# Altium PCB Thermostat_8CH.PCBDOC (part 5 of 10)
Units mil, origin at the board's own origin, x right, y up, seen from the top; angles counter-clockwise.
Board outline 8409.08 x 3937.01 mil, 4 copper layers (TOP, G1, L2, BOT), stack 61.024 mil thick; 941 components, 513 nets, 2912 pads, 1409 vias.
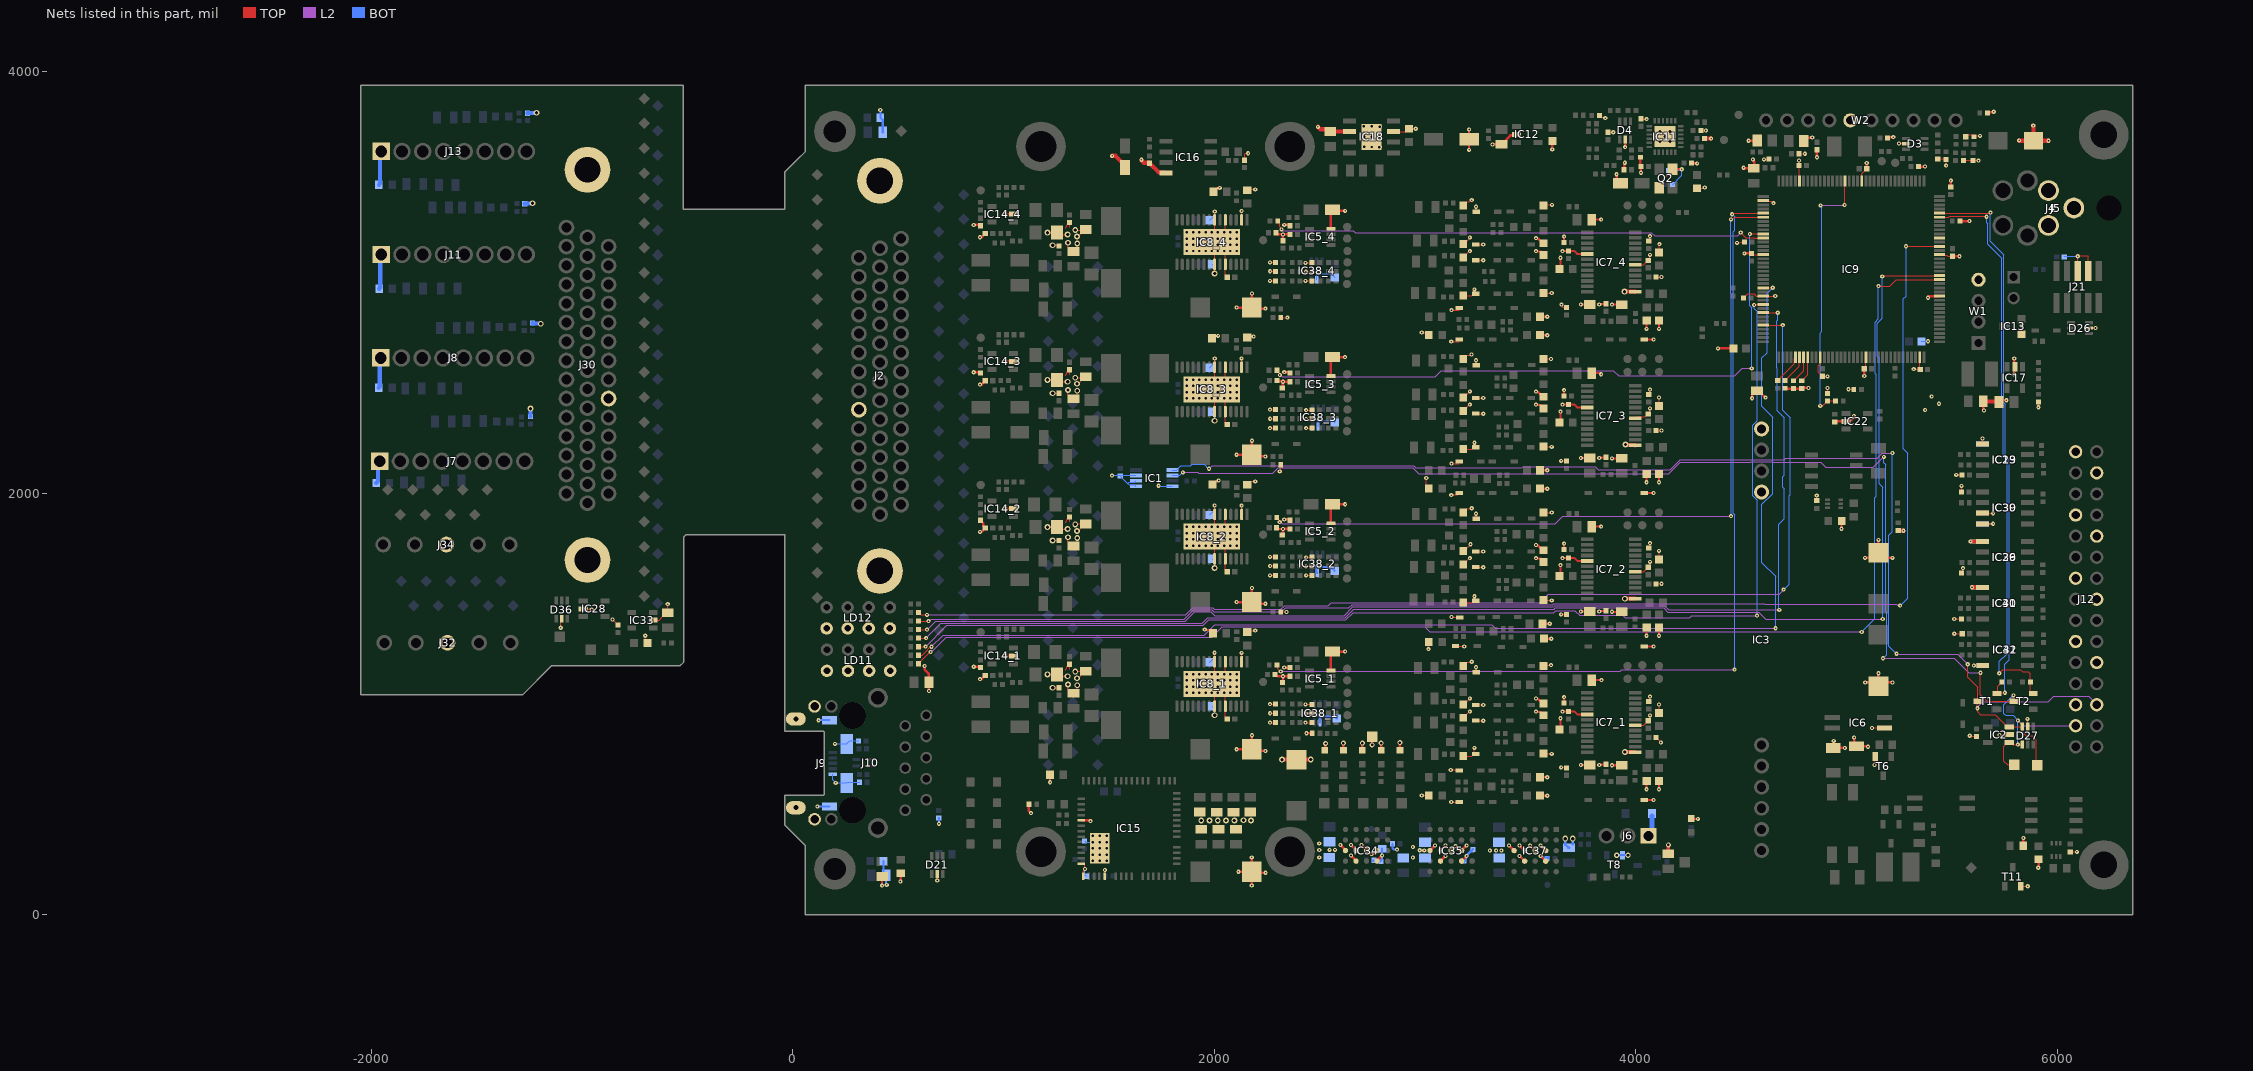
[diagram p7: the nets of this part, all layers, seen from the top]

## Via types
v1: diameter 19.68, hole 7.87, TOP to BOT, tented both sides, 1030 vias
v2: diameter 27.56, hole 15.75, TOP to BOT, tented both sides, 191 vias
v3: diameter 23.62, hole 11.81, TOP to BOT, tented both sides, 97 vias
v4: diameter 23.62, hole 11.81, TOP to BOT, 81 vias
v5: diameter 25.98, hole 12.99, TOP to BOT, tented both sides, 10 vias

## Nets (pads, with @x,y where several pads share a name; then routed paths per layer and width w, separated by ;. In a path a pad name is that pad's centre, name@x,y a point inside that pad or via, vN(x,y) a via of type N, cw(c..) or ccw(c..) an arc to the next point about the centre after c; other vN are vias at no path point) (continued)
GND: C1.1 C2.1 C3.2 C4.2 C6.1 C7.1 C8.1 C9.1 C10.1 C11.1 C12.1 C13.1 C14.1 C15.2 C16_1.2 C16_2.2 C16_3.2 C16_4.2 C17.1 C18.1 C19.2 C20_1.2 C20_2.2 C20_3.2 C20_4.2 C21.2 C22.2 C23.2 C24.2 C25.1 C26_1.2 C26_2.2 C26_3.2 C26_4.2 C28.1 C29.2 C30.2 C31.2 C32.2 C33.2 C34.1 C35.2 C36.1 C37.2 C38.2 C39_1.2 C39_2.2 C39_3.2 C39_4.2 C40_1.2 C40_2.2 C40_3.2 C40_4.2 C41_1.2 C41_2.2 C41_3.2 C41_4.2 C42_1.2 C42_2.2 C42_3.2 C42_4.2 C43_1.2 C43_2.2 C43_3.2 C43_4.2 C44_1.2 C44_2.2 C44_3.2 C44_4.2 C45_1.2 C45_2.2 C45_3.2 C45_4.2 C47_1.1 C47_2.1 C47_3.1 C47_4.1 C48_1.1 C48_2.1 C48_3.1 C48_4.1 C49_1.2 C49_2.2 C49_3.2 C49_4.2 C50_1.1 C50_2.1 C50_3.1 C50_4.1 C51_1.2 C51_2.2 C51_3.2 C51_4.2 C52_1.2 C52_2.2 C52_3.2 C52_4.2 C54_1.2 C54_2.2 C54_3.2 C54_4.2 C55_1.1 C55_2.1 C55_3.1 C55_4.1 C56_1.1 C56_2.1 C56_3.1 C56_4.1 C57_1.1 C57_2.1 C57_3.1 C57_4.1 C58_1.1 C58_2.1 C58_3.1 C58_4.1 C59_1.2 C59_2.2 C59_3.2 C59_4.2 C60_1.2 C60_2.2 C60_3.2 C60_4.2 C61_1.1 C61_2.1 C61_3.1 C61_4.1 C64.2 C65.1 C66_1.2 C66_2.2 C66_3.2 C66_4.2 C67_1.1 C67_2.1 C67_3.1 C67_4.1 C68_1.1 C68_2.1 C68_3.1 C68_4.1 C69_1.1 C69_2.1 C69_3.1 C69_4.1 C70_1.2 C70_2.2 C70_3.2 C70_4.2 C71_1.2 C71_2.2 C71_3.2 C71_4.2 C72_1.2 C72_2.2 C72_3.2 C72_4.2 C73_1.2 C73_2.2 C73_3.2 C73_4.2 C74_1.2 C74_2.2 C74_3.2 C74_4.2 C75_1.2 C75_2.2 C75_3.2 C75_4.2 C76_1.2 C76_2.2 C76_3.2 C76_4.2 C77.2 C78.1 C79.2 C80.1 C81.1 C83_1.1 C83_2.1 C83_3.1 C83_4.1 C84.1 C85.1 C86_1.2 C86_2.2 C86_3.2 C86_4.2 C87.1 C88.1 C89.2 C90_1.2 C90_2.2 C90_3.2 C90_4.2 C91.2 C92.2 C93.2 C94.2 C95.2 C96.2 C97.2 C98.2 C99.2 C100.1 C101.1 C102.2 C103.2 C104_1.2 C104_2.2 C104_3.2 C104_4.2 C106_1.1 C106_2.1 C106_3.1 C106_4.1 C107_1.2 C107_2.2 C107_3.2 C107_4.2 C108.1 C109.1 C111_1.1 C111_2.1 C111_3.1 C111_4.1 C112.2 C113.1 C114.2 C115.1 C117.1 C119_1.2 C119_2.2 C119_3.2 C119_4.2 C122_1.1 C122_2.1 C122_3.1 C122_4.1 C123_1.1 C123_2.1 C123_3.1 C123_4.1 C126.2 C127_1.2 C127_2.2 C127_3.2 C127_4.2 C128.1 C129.1 C130.1 C131.1 C138.1 C139.2 C144.1 C145.1 C146.1 C147.1 C148.1 C151.1 C152.1 C155.1 C156.1 C157.1 C158.1 C159.2 C160.2 C161.2 C162_1.1 C162_2.1 C162_3.1 C162_4.1 C163.1 C164.1 C165.2 C166.1 C167.1 C168_1.1 C168_2.1 C168_3.1 C168_4.1 D3.2 D4.2 D12.2 D15_1.2 D15_2.2 D15_3.2 D15_4.2 D16_1.2 D16_2.2 D16_3.2 D16_4.2 D19_1.2 D19_2.2 D19_3.2 D19_4.2 D20_1.2 D20_2.2 D20_3.2 D20_4.2 D21.2 D24.2 D25.2 D26.2 D27.2 D32_1.2 D32_2.2 D32_3.2 D32_4.2 D33_1.2 D33_2.2 D33_3.2 D33_4.2 D34_1.2 D34_2.2 D34_3.2 D34_4.2 D36.2 IC1.4 IC1.5 IC1.6 IC1.7 IC2.2 IC3.7 IC3.10 IC5_1.8 IC5_2.8 IC5_3.8 IC5_4.8 IC6.3 IC7_1.1 IC7_1.6 IC7_1.17 IC7_2.1 IC7_2.6 IC7_2.17 IC7_3.1 IC7_3.6 IC7_3.17 IC7_4.1 IC7_4.6 IC7_4.17 IC8_1.0 IC8_1.2 IC8_1.5 IC8_1.7 IC8_1.22 IC8_1.24 IC8_2.0 IC8_2.2 IC8_2.5 IC8_2.7 IC8_2.22 IC8_2.24 IC8_3.0 IC8_3.2 IC8_3.5 IC8_3.7 IC8_3.22 IC8_3.24 IC8_4.0 IC8_4.2 IC8_4.5 IC8_4.7 IC8_4.22 IC8_4.24 IC9.16 IC9.31 IC9.38 IC9.51 IC9.61 IC9.83 IC9.94 IC9.107 IC9.120 IC9.130 IC11.25 IC12.2 IC13.1 IC14_1.2 IC14_2.2 IC14_3.2 IC14_4.2 IC15.1 IC15.5 IC15.56 IC15.64 IC15.65 IC16.4 IC17.2 IC18.3 IC18.6 IC18.9 IC19.5 IC22.2 IC23.4 IC28.2 IC29.5 IC30.3 IC30.4 IC31.5 IC32.4 IC33.2 IC34.B3 IC34.B4 IC34.C3 IC34.D3 IC34.D4 IC34.E3 IC35.B3 IC35.B4 IC35.C3 IC35.D3 IC35.D4 IC35.E3 IC36.4 IC37.B3 IC37.B4 IC37.C3 IC37.D3 IC37.D4 IC37.E3 IC38_1.2 IC38_2.2 IC38_3.2 IC38_4.2 IC39.5 IC40.4 IC41.5 J2.36 J2.45 J2.46 J4.1 J5.1 J5.2 J6.1 J7.1 J8.1 J9.5 J9.6 J9.7 J9.8 J9.9 J9.10 J9.11 J10.L2 J10.L4 J11.1 J12.1 J12.4 J12.7 J12.10 J12.13 J12.16 J12.19 J12.22 J12.25 J13.1 J21.3 J21.5 J30.36 J30.45 J30.46 J32.3 J34.3 LD2.1 LD3.1 LD4.1 LD6.1 LD9.1 LD10.1 LD11.1 LD11.3 LD11.5 LD11.7 LD12.1 LD12.3 LD12.5 LD12.7 Q2.2 Q2.4 R8.2 R25.2 R26.2 R28.2 R31.1 R32.1 R63.2 R68.1 R75.2 R81.2 R84.2 R85.1 R93.2 R104.1 R106.2 R107_1.2 R107_2.2 R107_3.2 R107_4.2 R119.2 R125.1 R127_1.1 R127_2.1 R127_3.1 R127_4.1 R130_1.2 R130_2.2 R130_3.2 R130_4.2 R135.1 R139.1 R154.1 R156.1 R162.1 R170.1 R181.1 R195.1 R196.1 R197.1 R219.1 R220.1 R221.1 R222.1 R223.1 R228.1 R230.1 R231.1 T6.2 T8.2 T11.2 TP9.1 W1.4 W2.5 | length 25073.6
  TOP w5: v1(-1101.92,1362.2) -1101.92,1399.89 D36.2@-1097.28,1404.53 ; IC28.2@-994.92,1451.77 -991.77,1448.62 v1(-954.42,1448.62) ; v1(-856,1401) -856,1400.45 C138.1@-830.55,1375 ; v1(-700.96,1323.99) -700.96,1299.54 C151.1@-690.79,1289.37 ; IC33.2@-663.23,1397.64 -635.06,1397.64 -619.39,1413.31 -619.39,1414.9 -601.22,1433.07 C139.2@-594.33,1433.07 v1(-594.33,1474.19) ; v1(509.84,157.48) v1@511.81,159.45 ; C83_1.1@886.35,1176.85 C83_1.1@890.18,1173.02 ; C83_3.1@886.35,2574.49 C83_3.1@890.18,2570.66 ; C83_4.1@886.35,3273.31 C83_4.1@890.18,3269.48 ; v1(887.86,1118.25) v1@894.93,1118.25 ; v1(887.86,2515.89) v1@894.93,2515.89 ; v1(887.86,3214.71) v1@894.93,3214.71 ; v2(1208.04,1140.58) 1242.33,1140.58 1251.53,1131.38 v2(1303.45,1131.38) ; v2(1208.04,1839.39) 1242.33,1839.39 1251.53,1830.2 v2(1303.45,1830.2) ; v2(1208.04,2538.21) 1242.33,2538.21 1251.53,2529.01 v2(1303.45,2529.01) ; v2(1208.04,3237.03) 1242.33,3237.03 1251.53,3227.83 v2(1303.45,3227.83) ; v2(1232.34,1077.17) C61_1.1@1261.89,1077.17 ; v2(1232.34,1775.99) C61_2.1@1261.89,1775.99 ; v2(1232.34,2474.8) C61_3.1@1261.89,2474.8 ; v2(1232.34,3177.09) 1258.43,3177.09 C61_4.1@1261.89,3173.62 ; 1293.51,1161.15 1293.51,1163.97 1300.17,1170.62 1300.17,1175.83 C66_1.2@1313.07,1188.73 1313.07,1165.16 ; 1293.51,1859.97 1293.51,1862.79 1300.17,1869.44 1300.17,1874.65 C66_2.2@1313.07,1887.55 1313.07,1863.98 ; 1293.51,2558.79 1293.51,2561.61 1300.17,2568.26 1300.17,2573.46 C66_3.2@1313.07,2586.37 1313.07,2562.8 ; 1293.51,3257.61 1293.51,3260.43 1300.17,3267.08 1300.17,3272.28 C66_4.2@1313.07,3285.19 1313.07,3261.62 ; v2(1304.97,1092.31) 1304.97,1072.45 1326.15,1051.28 C60_1.2@1331.69,1051.28 1349.4,1068.99 v2(1349.4,1088.84) ; v2(1304.97,1791.13) 1304.97,1771.27 1326.15,1750.1 C60_2.2@1331.69,1750.1 1349.4,1767.8 v2(1349.4,1787.66) ; v2(1304.97,2489.95) 1304.97,2470.09 1326.15,2448.92 C60_3.2@1331.69,2448.92 1349.4,2466.62 v2(1349.4,2486.48) ; v2(1304.97,3188.77) 1304.97,3168.91 1326.15,3147.73 C60_4.2@1331.69,3147.73 1349.4,3165.44 v2(1349.4,3185.3) ; v2(1339.49,1153.58) 1341.46,1155.55 C67_1.1@1383.61,1155.55 ; v2(1339.49,1852.4) 1341.46,1854.37 C67_2.1@1383.61,1854.37 ; v2(1339.49,2547.89) 1377.67,2547.89 C67_3.1@1382.97,2553.19 ; v2(1339.49,3249.28) 1380.24,3249.28 C67_4.1@1382.97,3252.01 ; v2(1348.42,1122.04) 1351.92,1122.04 1364.8,1134.92 1364.8,1137.38 1382.97,1155.55 C67_1.1@1383.61,1155.55 ; v2(1348.42,1820.86) 1351.92,1820.86 1364.8,1833.74 1364.8,1836.2 1382.97,1854.37 C67_2.1@1383.61,1854.37 ; v2(1348.42,2519.68) 1351.92,2519.68 1364.8,2532.56 1364.8,2535.02 C67_3.1@1382.97,2553.19 ; v2(1348.42,3218.5) 1351.92,3218.5 1364.8,3231.38 1364.8,3233.84 C67_4.1@1382.97,3252.01 ; IC15.64@1369.15,242.91 1380.96,242.91 1384.37,239.5 1384.37,221.37 v1@1384,221 ; IC15.1@1378,187 1378,207.29 1386,215.29 v1(1386,217) ; C67_1.1@1389.86,1155.55 C67_1.1@1383.61,1155.55 ; C67_2.1@1389.86,1854.37 C67_2.1@1383.61,1854.37 ; C67_3.1@1389.86,2553.19 C67_3.1@1382.97,2553.19 ; C67_4.1@1389.86,3252.01 C67_4.1@1382.97,3252.01 ; v1@1409.1,447.63 v1(1412.41,444.33) ; IC15.5@1480.37,182.87 v1(1480.37,212.63) ; IC8_2.0@1994.27,1788.48 IC8_2.0@2001.26,1781.5 ; v1(2001,1243) 2001,1201.25 IC8_1.7@2001.26,1200.98 2001.26,1108.27 IC8_1.0@1988.47,1095.47 2001.26,1082.68 IC8_1.22@2001.26,989.96 ; v1(2001,1942) 2001,1900.06 IC8_2.7@2001.26,1899.8 2001.26,1807.09 IC8_2.0@1988.47,1794.29 IC8_2.0@2001.26,1781.5 ; IC8_2.22@2001.26,1688.78 IC8_2.0@2001.26,1781.5 ; IC8_3.22@2001.26,2387.6 2001.26,2480.32 IC8_3.0@1988.47,2493.11 2001.26,2505.91 IC8_3.7@2001.26,2598.62 2002,2599.36 v1(2002,2640) ; v2@2002,3050 2001.26,3050.74 IC8_4.22@2001.26,3086.42 2001.26,3179.13 IC8_4.0@1988.47,3191.93 2001.26,3204.72 IC8_4.7@2001.26,3297.44 2002,3298.18 v1(2002,3337) ; IC8_2.0@2040.8,1746.43 IC8_2.0@2052.44,1734.78 ; IC8_2.0@2042.96,1844.32 IC8_2.0@2052.44,1853.8 ; IC8_1.5@2052.44,1200.98 2052.44,1154.98 1992.93,1095.47 2052.44,1035.96 IC8_1.24@2052.44,989.96 2052.44,937.61 C68_1.1@2061.3,928.75 ; IC8_2.5@2052.44,1899.8 IC8_2.0@2052.44,1853.8 ; IC8_3.5@2052.44,2598.62 2052.44,2552.62 1992.93,2493.11 2052.44,2433.6 IC8_3.24@2052.44,2387.6 2052.44,2335.25 C68_3.1@2061.3,2326.39 ; IC8_4.5@2052.44,3297.44 2052.44,3251.44 1992.93,3191.93 2052.44,3132.42 IC8_4.24@2052.44,3086.42 2052.44,3034.07 C68_4.1@2061.3,3025.21 ; C68_2.1@2061.3,1627.57 2052.44,1636.43 IC8_2.24@2052.44,1688.78 IC8_2.0@2052.44,1734.78 ; v1(2114,204) v1@2114.72,204.72 ; IC8_1.2@2129.21,1200.98 v1(2129.21,1242.8) ; IC8_2.2@2129.21,1899.8 v1(2129.21,1941.62) ; IC8_3.2@2129.21,2598.62 v1(2129.21,2640.44) ; IC8_4.2@2129.21,3297.44 v1(2129.21,3339.26) ; C38.2@2143,3580.72 2143,3609.79 2146.28,3613.07 2159.44,3613.07 v1(2160.12,3613.75) ; C57_1.1@2155.51,1341.53 2162.4,1348.42 v1(2194.17,1348.42) ; C57_2.1@2155.51,2040.35 2171.71,2056.55 2194.04,2056.55 v1(2194.17,2056.69) ; C57_3.1@2155.51,2739.17 2160.12,2743.78 v1(2186.03,2743.78) ; C57_4.1@2155.51,3437.99 2159.83,3442.3 2159.98,3442.15 v1(2194.17,3442.15) ; v1(2177,272) v1@2177.17,271.83 ; C15.2@2177.17,204.72 C15.2@2182.89,199 ; C59_1.2@2178.15,785.19 C59_1.2@2186.02,777.32 ; C59_2.2@2178.15,1484.01 C59_2.2@2186.02,1476.13 ; C59_3.2@2178.15,2182.83 C59_3.2@2186.02,2174.95 ; C59_4.2@2178.15,2881.65 2186.02,2873.77 C59_4.2@2188.52,2876.27 ; v1(2263.78,911.7) C70_1.2@2289.57,911.7 ; v1(2263.78,999.31) C74_1.2@2289.57,999.31 ; v1(2263.78,1610.52) C70_2.2@2289.57,1610.52 ; v1(2263.78,1698.13) C74_2.2@2289.57,1698.13 ; v1(2263.78,2309.34) C70_3.2@2289.57,2309.34 ; v1(2263.78,2396.95) C74_3.2@2289.57,2396.95 ; v1(2263.78,3008.15) C70_4.2@2289.57,3008.15 ; v1(2263.78,3095.77) C74_4.2@2289.57,3095.77 ; v1(2264.62,956.14) C72_1.2@2289.57,956.14 ; v1(2264.62,1654.96) C72_2.2@2289.57,1654.96 ; v1(2264.62,2353.78) C72_3.2@2289.57,2353.78 ; v1(2264.62,3053.64) 2288.53,3053.64 C72_4.2@2289.57,3052.59 ; v1(2310.04,2103.96) 2314.76,2108.68 R107_3.2@2314.76,2135.58 ; R107_2.2@2314.76,1436.76 v1(2342.52,1436.76) ; R107_4.2@2314.76,2834.4 2315.49,2833.67 v1(2346.46,2833.67) ; C76_2.2@2357.44,1872.87 C76_2.2@2358.27,1872.05 ; v1(2432.56,998.16) 2463.41,998.16 C75_1.2@2463.58,998.33 ; v1(2432.56,3093.34) 2462.14,3093.34 C75_4.2@2463.58,3094.78 ; v1(2432.59,911.7) C71_1.2@2463.58,911.7 ; v1(2432.59,3008.15) C71_4.2@2463.58,3008.15 ; v1(2434.15,954.58) 2462.02,954.58 C73_1.2@2463.58,956.14 ; v1(2434.15,3051.03) 2462.02,3051.03 C73_4.2@2463.58,3052.59 ; v1(2435.56,1610.52) C71_2.2@2463.58,1610.52 ; v1(2435.56,1653.39) 2462.02,1653.39 C73_2.2@2463.58,1654.96 ; v1(2435.56,1695.71) 2462.14,1695.71 C75_2.2@2463.58,1697.15 ; v1(2435.56,2309.34) C71_3.2@2463.58,2309.34 ; v1(2435.56,2352.21) 2462.02,2352.21 C73_3.2@2463.58,2353.78 ; v1(2435.56,2394.53) 2462.14,2394.53 C75_3.2@2463.58,2395.97 ; IC18.3@2850.39,3715.94 2909.45,3715.94 C113.1@2923.23,3729.72 v1(2955.72,3729.72) ; v1(2984.33,566.16) R130_1.2@3017.79,566.16 ; v1(2984.33,2762.75) 3006.25,2762.75 R130_4.2@3017.79,2751.2 ; v1(3005.39,2072.23) 3005.39,2035.25 R130_3.2@3017.79,2022.86 ; v1(3015.39,1260.66) 3015.39,1292.11 R130_2.2@3017.79,1294.51 ; v1(3122,687) 3159.67,687 D32_1.2@3162.4,684.27 ; v1(3123.76,534.67) D33_1.2@3161.16,534.67 ; v1(3123.76,1991.36) 3126.26,1993.86 3153.82,1993.86 D33_3.2@3161.16,2001.2 ; v1(3123.76,2719.71) 3161.16,2719.71 ; v1(3125,1412.62) D32_2.2@3162.4,1412.62 ; v1(3125,2140.97) D32_3.2@3162.4,2140.97 ; v1(3125,2869.31) D32_4.2@3162.4,2869.31 ; D33_2.2@3145.01,1273.19 v1(3185.54,1273.19) ; C111_1.1@3180.79,751.78 3221.21,751.78 3234.19,764.76 3236.56,764.76 3233.81,767.52 v1(3233.81,791.93) ; C107_1.2@3180.79,936.57 3181.77,936.57 3209.13,963.93 v1(3212.4,963.93) ; C106_1.1@3180.79,995.31 3181.77,995.31 3212.4,1025.94 v1(3212.4,1026.92) ; C104_1.2@3180.79,1182.32 3196.99,1198.52 3219.15,1198.52 v1(3221.21,1200.57) ; C111_2.1@3180.79,1480.12 3221.21,1480.12 3234.19,1493.11 3236.56,1493.11 3233.81,1495.86 v1(3233.81,1511.17) ; C107_2.2@3180.79,1664.91 3181.77,1664.91 3209.13,1692.27 v1(3212.4,1692.27) ; C106_2.1@3180.79,1723.65 3181.77,1723.65 3215.5,1757.38 v1(3215.5,1758.37) ; C104_2.2@3180.79,1910.66 3196.99,1926.86 3219.15,1926.86 v1(3221.21,1928.92) ; C111_3.1@3180.79,2208.47 3221.21,2208.47 3234.19,2221.46 3236.56,2221.46 3233.81,2224.21 v1(3233.81,2239.52) ; C107_3.2@3180.79,2393.26 3181.77,2393.26 3209.13,2420.62 v1(3212.4,2420.62) ; C106_3.1@3180.79,2452 3181.77,2452 3212.4,2482.63 v1(3212.4,2483.61) ; C104_3.2@3180.79,2639.01 3196.99,2655.21 3212.63,2655.21 3215.96,2658.54 v1(3219.93,2658.54) ; C111_4.1@3180.79,2936.81 3221.21,2936.81 3234.19,2949.8 3236.56,2949.8 3233.81,2952.56 v1(3233.81,2967.86) ; C107_4.2@3180.79,3121.61 3181.77,3121.61 3209.13,3148.97 v1(3212.4,3148.97) ; C106_4.1@3180.79,3180.35 3181.77,3180.35 3212.4,3210.98 v1(3212.4,3214.39) ; C104_4.2@3180.79,3367.35 3196.99,3383.56 3209.67,3383.56 3217.23,3391.11 v1(3221.21,3391.11) ; D25.2@3209.13,3679.61 D25.2@3209.64,3680.11 D25.2@3209.13,3680.62 ; D19_1.2@3240.13,921.2 3240.7,920.62 v1(3275.94,920.62) ; D19_2.2@3240.13,1649.54 3240.7,1648.97 v1(3275.94,1648.97) ; D19_3.2@3240.13,2377.89 3240.7,2377.31 v1(3275.94,2377.31) ; D19_4.2@3240.13,3106.24 3240.7,3105.66 v1(3275.94,3105.66) ; D16_1.2@3240.13,995.35 v1(3275.94,995.35) ; D16_2.2@3240.13,1723.7 v1(3275.94,1723.7) ; D16_3.2@3240.13,2452.04 v1(3275.94,2452.04) ; D16_4.2@3240.13,3180.39 v1(3275.94,3180.39) ; D15_1.2@3241.69,1150.68 v1(3241.69,1174.56) ; D15_2.2@3241.69,1879.03 v1(3241.69,1902.9) ; D15_3.2@3241.69,2607.38 v1(3241.69,2631.25) ; D15_4.2@3241.69,3335.72 v1(3241.69,3359.6) ; C55_1.1@3561.21,763.59 v1(3601.18,763.59) ; C45_1.2@3561.2,1182 3563.81,1184.61 v1(3597.21,1184.61) ; C55_2.1@3561.21,1491.93 v1(3601.18,1491.93) ; C45_2.2@3561.2,1910.34 3563.01,1908.54 v1(3601.18,1908.54) ; C55_3.1@3561.21,2220.28 v1(3601.18,2220.28) ; C45_3.2@3561.2,2638.69 3562.52,2637.37 v1(3597.21,2637.37) ; C55_4.1@3561.21,2948.63 3562.75,2950.17 v1(3601.18,2950.17) ; C45_4.2@3561.2,3367.04 3563.01,3368.84 v1(3602.36,3368.84) ; C115.1@3603.54,3670.7 C115.1@3604.43,3671.59 ; v1@3645.37,697.07 3647.83,699.53 3668.39,699.53 C39_1.2@3670.85,697.07 ; v1(3645.37,1425.41) C39_2.2@3670.85,1425.41 ; v1(3645.37,2153.76) C39_3.2@3670.85,2153.76 ; v1(3647.54,2895.34) 3650.35,2892.53 3650.35,2885.66 3653.9,2882.11 C39_4.2@3670.85,2882.11 ; R28.2@3827.86,3793.31 3827.86,3792.53 3836.78,3783.61 3847.91,3783.61 3851.11,3780.41 v1(3855.08,3780.41) ; C80.1@3868.17,3713.5 3868.36,3713.32 v1(3892.89,3713.32) ; C77.2@3909,3489.41 C77.2@3926.96,3471.46 ; v1@3944.67,3561.49 3948.02,3564.83 v1(3948.02,3568.81) ; IC7_1.6@3996.87,899.54 4038,899.54 4067.02,928.56 v1(4067.02,946.3) ; IC7_2.6@3996.87,1627.88 4038,1627.88 C49_2.2@4058.12,1648 ; IC7_3.6@3996.87,2356.23 4003.23,2362.59 4044.36,2362.59 4053,2371.23 C49_3.2@4053,2379 ; IC7_4.6@3996.87,3084.58 4038,3084.58 4067.02,3113.6 v1(4067.02,3131.34) ; C79.2@4024.4,3777.52 4026.14,3775.79 v1(4051.28,3775.79) ; C49_2.2@4058.88,1648.77 4067.02,1656.9 v1(4067.02,1674.65) ; C49_3.2@4058.88,2377.11 4067.02,2385.25 v1(4067.02,2402.99) ; C54_1.2@4061.12,1011.64 4067.02,1017.53 v1(4067.02,1035.19) ; C54_2.2@4061.12,1739.98 4067.02,1745.88 v1(4067.02,1763.54) ; C54_3.2@4061.12,2468.33 4067.02,2474.23 v1(4067.02,2491.88) ; C54_4.2@4061.12,3196.68 4067.02,3202.57 v1(4067.02,3220.23) ; C86_1.2@4096.56,841.27 4119,818.83 v1(4119,817) ; C86_2.2@4096.56,1569.62 4097.85,1570.91 v1(4122,1570.91) ; C86_3.2@4096.56,2297.96 v1(4122,2297.96) ; C86_4.2@4096.56,3026.31 v1(4122,3026.31) ; C48_1.1@4110.34,958.23 v1(4110.34,997.6) ; C48_2.1@4110.34,1686.57 v1(4110.34,1726.96) ; C48_3.1@4110.34,2414.92 v1(4110.34,2454.29) ; C48_4.1@4110.34,3143.27 4111.81,3144.74 v1(4111.81,3182.64) ; Q2.4@4111.01,3450.79 4131.15,3470.93 4131.15,3489.63 4174,3532.48 Q2.2@4174,3537.4 ; C100.1@4263.57,3567.91 C100.1@4265.82,3565.67 ; C87.1@4290.15,3447.83 4324.2,3447.83 v1(4327.15,3450.79) ; R25.2@4308.89,3722.44 4309.44,3721.89 v1(4332.19,3721.89) ; v1(4479.8,3188.37) 4480.03,3188.13 4494.21,3188.13 4497.75,3191.67 R32.1@4515.07,3191.67 ; C95.2@4511.1,2926.81 4530.8,2946.52 4561.84,2946.52 4566.23,2942.13 4566.23,2939.9 4570.37,2935.77 IC9.61@4604.44,2935.77 4604.52,2935.85 4661.34,2935.85 v1(4661.42,2935.93) ; C30.2@4549.32,3138.52 4555.23,3132.62 IC9.51@4604.44,3132.62 ; C35.2@4552,2468.05 4570.17,2486.22 C35.2@4575.09,2486.22 C35.2@4581.98,2486.22 ; IC9.38@4604.44,3388.52 4606.36,3386.61 4642.64,3386.61 4652.46,3376.79 v1(4652.91,3376.79) ; v1(4608.05,3584.6) 4629.74,3584.6 C23.2@4631.76,3586.61 ; v1@4614.2,2454 v1(4616.07,2454) ; C24.2@4773.85,3611.49 v1(4802.07,3611.49) ; C31.2@4774.72,3555.12 v1(4774.72,3579.46) ; IC9.31@4776.69,3482.03 C31.2@4776.69,3544.75 ; C25.1@4797.29,3671.71 C25.1@4799.25,3673.68 ; R85.1@4858.87,1965.28 v1(4858.87,1988.96) ; IC9.83@4875.11,2645.41 4875.11,2613.52 4872.18,2610.59 4870.93,2610.59 4866.54,2606.2 4866.54,2575.16 4878,2563.69 C96.2@4878,2556 ; C96.2@4886.24,2555.45 4886.69,2555 v1(4909.86,2555) ; C89.2@4909.86,2474.23 v1(4909.86,2499.97) ; v1(5009.47,2493.42) 5032.24,2493.42 R75.2@5033.77,2491.88 ; IC9.16@5071.96,3482.03 5071.96,3515.91 C33.2@5095.88,3539.83 ; C97.2@5083.77,2591.28 5091.65,2599.15 IC9.94@5091.65,2645.41 ; v1(5120.9,886.48) IC6.3@5180.42,886.48 ; v1(5133,710.7) 5133,747.19 T6.2@5136.43,750.62 ; v1(5248.94,3659.97) D3.2@5282.48,3659.97 ; D3.2@5282.48,3658.46 D3.2@5293.31,3658.46 ; v1(5319.09,2589.15) 5347.31,2589.15 C98.2@5349.52,2586.94 5347.55,2588.91 IC9.107@5347.55,2645.41 ; C126.2@5433.07,3586.61 5469.68,3586.61 R93.2@5472.44,3583.86 v1(5472.44,3555.12) ; IC9.130@5441.06,3132.62 5443.07,3130.6 5475.13,3130.6 5480.99,3124.74 C32.2@5503.06,3124.74 ; v1@5494.21,3482.66 v1(5495.19,3483.65) ; v1(5511.23,1333.65) C145.1@5549.03,1333.65 ; v1(5511.23,1403.79) C147.1@5545.74,1403.79 ; v1(5520.58,2087.61) C148.1@5547.7,2087.61 ; C144.1@5545.73,1621.79 5552.27,1628.33 v1(5552.27,1644.74) ; C146.1@5545.74,2006.6 v1(5545.74,2035.26) ; C93.2@5555.78,3579.46 R84.2@5599.35,3579.46 5625.19,3579.46 v1(5625.98,3578.67) ; C92.2@5565.52,3692.29 5574.43,3701.2 5595.22,3701.2 R81.2@5604.13,3692.29 5607.84,3695.99 v1(5632.95,3695.99) ; v1@5581.76,3291.34 v1(5582.86,3292.44) ; v1(5584.46,849.4) 5587.72,846.15 C2.1@5615.89,846.15 ; v1(5604,1183) 5605.11,1181.89 IC32.4@5646.65,1181.89 ; IC30.4@5645.41,1855.38 v1(5695.7,1855.37) ; IC30.3@5645.41,1905.38 v1(5695.7,1905.38) ; IC19.5@5645.42,2234.29 v1(5645.42,2259.84) ; v1@5648.9,2399.2 v1@5652.18,2395.91 ; C78.1@5723.29,2433.2 5724.59,2431.9 C78.1@5734.43,2441.74 ; v1(5726,853) 5727.42,854.42 IC2.2@5772.38,854.42 ; T11.2@5826.26,135.32 v1(5859.72,135.32) ; IC13.1@5830.26,2754.16 v1(5830.26,2795.74) ; v1@5838.58,363.33 v1(5839.31,364.06) ; v1(5858.01,929.54) 5859.72,927.83 D27.2@5859.72,893.79 ; v1(5909.96,223) v1@5911.02,224.06 ; v1(5910.44,2408.27) R104.1@5910.44,2433.2 ; R196.1@6061.8,298.12 v1(6092.88,298.12) ; J21.5@6096.85,3051.18 v1(6096.85,3124.74) ; v1@6100,3129 6102.22,3126.78 6143.92,3126.78 6146.85,3123.85 J21.3@6146.85,3051.18 ; D26.2@6138.99,2783.99 6139.68,2784.67 v1(6181.44,2784.67) ; IC8_2.0@2052.44,1734.78 1992.93,1794.29 IC8_2.0@2052.44,1853.8
  TOP w10: v1(423.4,137.97) C102.2@423.4,181.57 ; v1@511.81,159.45 R135.1@511.81,196.85 ; D21.2@685.04,192.91 685.04,162.33 v1(685.19,162.18) ; C152.1@1220.03,664.86 1220.03,629.11 v1(1220.47,628.67) ; v1(1953.98,1353.03) 1956.6,1353.03 1959.06,1350.58 1979.49,1350.58 1993.19,1336.88 C168_1.1@1993.19,1335.89 ; C168_3.1@1988.52,2735.21 2000.33,2747.02 v1(2017.97,2747.02) ; C168_2.1@1990.56,2041.94 1990.56,2042.92 2004.26,2056.62 2013.37,2056.62 2017.39,2060.64 v1(2020.01,2060.64) ; C168_4.1@1995.88,3430.72 1995.88,3431.71 2009.58,3445.41 2010.57,3445.41 2012.73,3447.57 2023.48,3447.57 v1(2025.33,3449.43) ; C162_1.1@2287.5,1140.01 2294.7,1132.81 2299.64,1132.81 2300.56,1131.89 v1(2325.79,1131.89) ; C162_2.1@2295.47,1836.57 2301.34,1830.71 v1(2325.79,1830.71) ; v1@2595.23,327.91 v1@2601.27,327.91 ; v1@2645.23,277.91 v1@2651.27,277.91 ; v1@2645.23,327.91 v1@2651.27,327.91 ; v1@2695.23,327.91 v1@2701.27,327.91 ; v1(2698.08,330.97) IC34.C3@2722.11,307.07 ; v1@2792.95,277.91 v1@2792.95,278.02 ; v1@2792.95,283.95 v1@2792.95,278.02 ; v1(2796.01,281.1) v1@2792.95,278.02 ; v1@3044.09,325.55 v1@3044.09,331.59 ; v1@3094.09,275.55 v1@3094.09,281.59 ; v1@3094.09,325.55 v1@3094.09,331.59 ; IC35.B4@3173.25,254.71 3194.09,275.66 v1(3197.15,278.74) ; v1@3194.09,325.55 v1@3194.09,331.59 ; v1(3209.13,3629.72) D25.2@3209.13,3679.61 ; D25.2@3209.13,3680.62 v1(3209.13,3726.73) ; v1(3448.32,278.45) IC37.D4@3472.36,254.55 ; v1(3526.14,1025.94) 3527.99,1024.08 3535.77,1024.08 3560.22,999.64 C47_1.1@3561.2,999.64 ; v1(3526.14,1754.28) 3527.99,1752.43 3535.77,1752.43 3560.22,1727.98 C47_2.1@3561.2,1727.98 ; v1(3526.14,2482.63) 3527.99,2480.78 3535.77,2480.78 3560.22,2456.33 C47_3.1@3561.2,2456.33 ; v1(3526.14,3210.98) 3527.99,3209.12 3535.77,3209.12 3560.22,3184.68 C47_4.1@3561.2,3184.68 ; v1(3526.51,963.93) 3528.35,962.08 3547.51,962.08 C52_1.2@3561.21,948.38 ; v1(3526.51,1692.27) 3528.35,1690.43 3547.51,1690.43 C52_2.2@3561.21,1676.73 ; v1(3526.51,2420.62) 3528.35,2418.77 3547.51,2418.77 C52_3.2@3561.21,2405.07 ; v1(3526.51,3148.97) 3528.35,3147.12 3547.51,3147.12 C52_4.2@3561.21,3133.42 ; C122_1.1@3546,566.16 3547.33,564.84 v1(3579.86,564.84) ; C16_1.2@3546,652.78 v1(3579.86,652.78) ; C122_3.1@3546,2022.86 3547.33,2021.54 v1(3579.86,2021.54) ; C16_3.2@3546,2109.47 v1(3579.86,2109.47) ; C122_4.1@3546,2751.2 3547.33,2749.88 v1(3579.86,2749.88) ; C16_4.2@3546,2837.82 v1(3579.86,2837.82) ; v1(3548.32,278.45) IC37.B4@3572.36,254.55 ; C16_2.2@3557.64,1381.12 v1(3591.5,1381.12) ; C122_2.1@3564.74,1311.02 3566.07,1309.7 v1(3598.6,1309.7) ; v1(3603.54,3631.9) C115.1@3603.54,3670.7 ; C50_1.1@3642.8,895.45 v1(3642.8,932.34) ; C50_2.1@3642.8,1623.8 v1(3642.8,1659.23) ; C50_3.1@3642.8,2352.15 v1(3642.8,2387.58) ; C50_4.1@3642.8,3080.49 v1(3642.8,3117.5) ; v1(3652.19,964.02) 3709.56,964.02 3722.85,950.72 IC7_1.17@3768.53,950.72 ; v1(3652.19,1692.27) 3652.24,1692.32 3681.16,1692.32 C51_2.2@3681.2,1692.36 3709.56,1692.36 3722.85,1679.07 IC7_2.17@3768.53,1679.07 ; v1(3652.19,2420.71) 3709.56,2420.71 3722.85,2407.41 IC7_3.17@3768.53,2407.41 ; v1(3652.19,3149.05) 3709.56,3149.05 3722.85,3135.76 IC7_4.17@3768.53,3135.76 ; C43_1.2@3659.55,1005.47 v1(3659.55,1032.81) ; C43_2.2@3659.55,1733.82 v1(3659.55,1761.15) ; C43_3.2@3659.55,2462.16 v1(3659.55,2489.5) ; C43_4.2@3659.55,3190.51 v1(3659.55,3217.84) ; v1(3739.28,710.85) C40_1.2@3781.59,710.85 ; v1(3739.28,1439.19) C40_2.2@3781.59,1439.19 ; v1(3739.28,2167.54) C40_3.2@3781.59,2167.54 ; v1(3739.28,2895.89) C40_4.2@3781.59,2895.89 ; C44_1.2@3791.44,1113.45 v1(3837.4,1113.45) ; C44_2.2@3791.44,1841.79 v1(3835.35,1841.79) ; C44_3.2@3791.44,2570.14 3827.37,2570.14 3832.73,2564.78 v1(3835.35,2564.78) ; C44_4.2@3791.44,3298.49 v1(3835.35,3298.49) ; v1(3826.22,710.85) 3827.86,712.49 3856.73,712.49 C41_1.2@3858.37,714.13 ; v1(3826.22,1439.19) 3827.86,1440.84 3856.73,1440.84 C41_2.2@3858.37,1442.48 ; v1(3826.22,2167.54) 3827.86,2169.18 3856.73,2169.18 C41_3.2@3858.37,2170.83 ; v1(3826.22,2895.89) 3827.86,2897.53 3856.73,2897.53 C41_4.2@3858.37,2899.17 ; v1(3886.91,709.22) C42_1.2@3933.72,709.22 ; v1(3886.91,1437.56) C42_2.2@3933.72,1437.56 ; v1(3886.91,2165.91) C42_3.2@3933.72,2165.91 ; v1(3886.91,2895.34) 3932.64,2895.34 C42_4.2@3933.72,2894.26 ; D34_1.2@4040.57,544.84 v1(4084.31,544.84) ; D34_2.2@4040.57,1273.19 v1(4084.31,1273.19) ; D34_3.2@4040.57,2001.53 v1(4084.31,2001.53) ; D34_4.2@4040.57,2729.88 v1(4084.31,2729.88) ; v1(4051.28,595.43) C123_1.1@4051.28,634.08 ; v1(4051.28,1323.78) C123_2.1@4051.28,1362.42 ; v1(4051.28,2052.12) C123_3.1@4051.28,2090.77 ; v1(4051.28,2780.47) C123_4.1@4051.28,2819.12 ; v1(4110.34,595.43) C119_1.2@4110.34,634.08 ; v1(4110.34,1323.78) C119_2.2@4110.34,1362.42 ; v1(4110.34,2052.12) C119_3.2@4110.34,2090.77 ; v1(4110.34,2780.47) C119_4.2@4110.34,2819.12 ; LD2.1@4264.75,454.72 v1(4294.44,454.72) ; v1(4976.31,1831.42) 4976.52,1831.63 4976.52,1833.85 4976.37,1834 R68.1@4976.37,1868.42 ; R125.1@5669.23,3804.39 5673.31,3808.46 5696.89,3808.46 v1(5698.74,3810.31)